# Altium PCB RTM_SFP.PcbDoc (part 11 of 17)
Units mil, origin at the board's own origin, x right, y up, seen from the top; angles counter-clockwise.
Board outline 7185 x 5846.5 mil, 4 copper layers (Top Layer, MidPlane_1, MidPlane_2, Bottom Layer), stack 63.553 mil thick; 389 components, 333 nets, 1578 pads, 1486 vias.
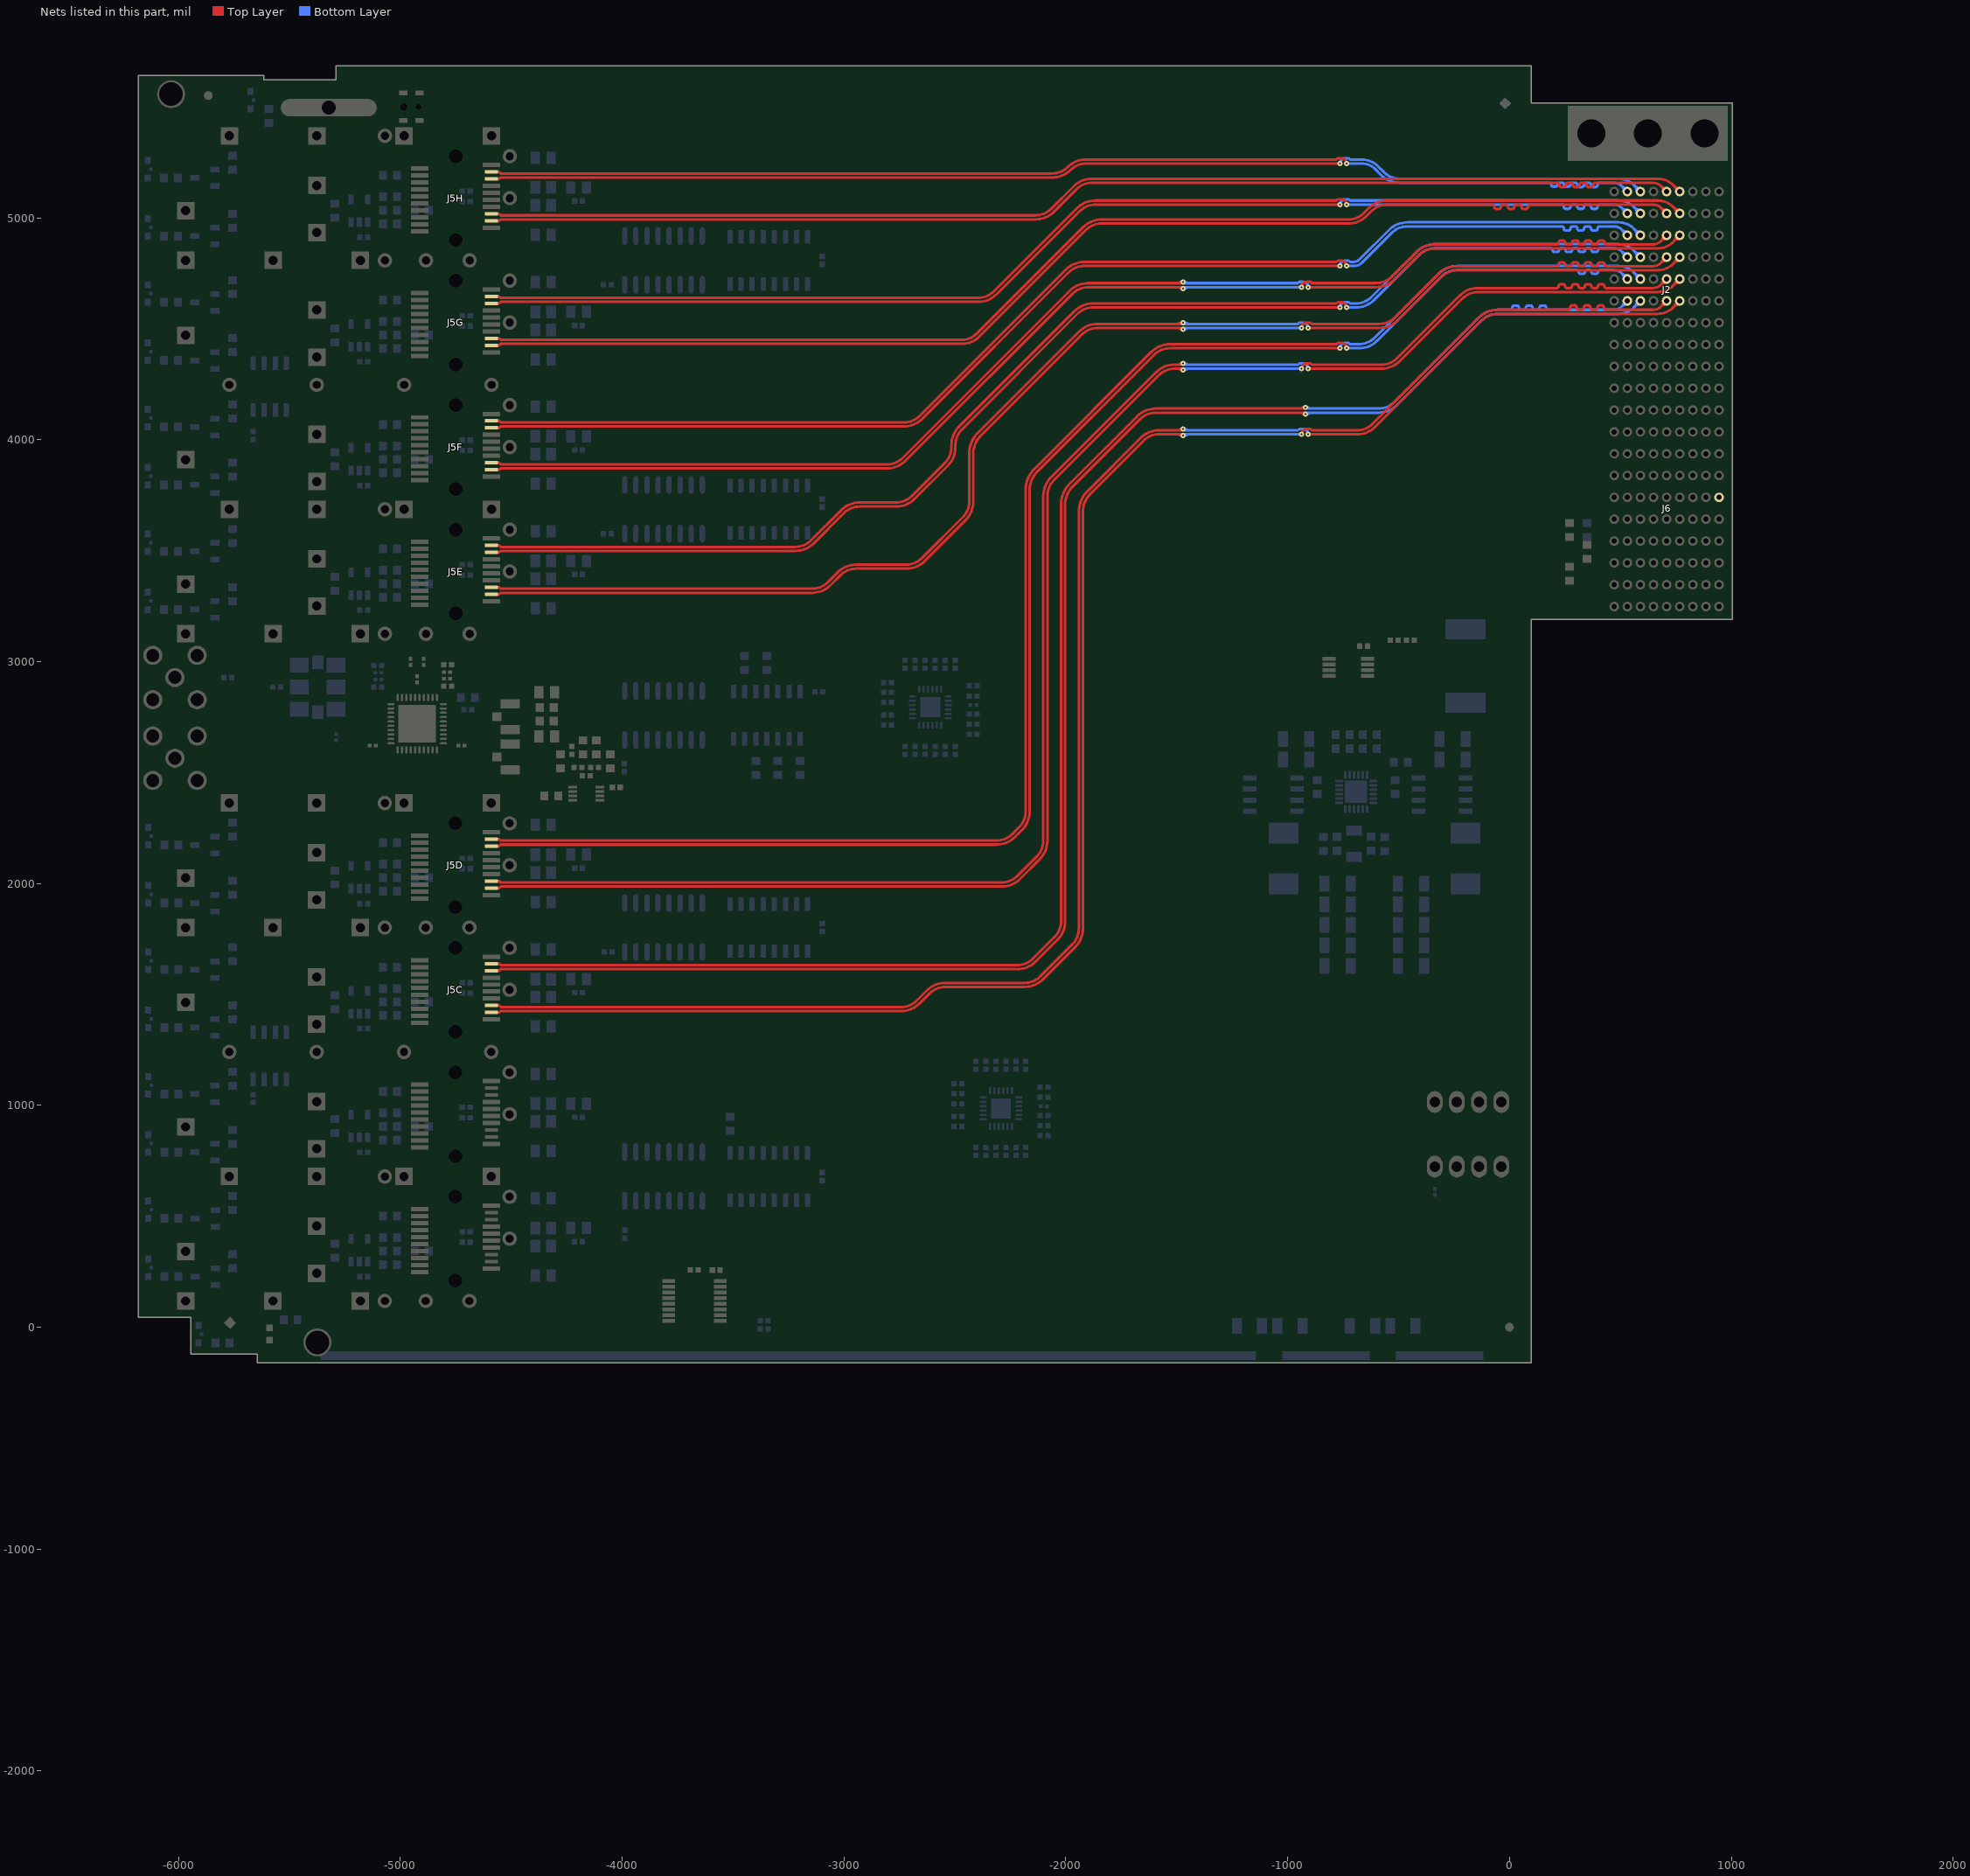
[diagram p13: the nets of this part, all layers, seen from the top]

## Via types
v1: diameter 23.62, hole 7.87, Top Layer to Bottom Layer, tented both sides, 1401 vias
v2: diameter 27.56, hole 11.81, Top Layer to Bottom Layer, tented both sides, 59 vias
v3: diameter 25.98, hole 12.99, Top Layer to Bottom Layer, tented top, 24 vias
v4: diameter 23.62, hole 11.81, Top Layer to Bottom Layer, tented both sides, 2 vias

## Nets (pads, with @x,y where several pads share a name; then routed paths per layer and width w, separated by ;. In a path a pad name is that pad's centre, name@x,y a point inside that pad or via, vN(x,y) a via of type N, cw(c..) or ccw(c..) an arc to the next point about the centre after c; other vN are vias at no path point) (continued)
RTM_LVD7_P: J6.A6
SFP1RX_N: J2.D10 J5H.12 | length 5555.2
  Top Layer w12: J5H.12@-4589.58,4986.47 -4553.96,4986.47 -4547.21,4993.22 -2136.48,4993.22 ccw(c-2136.48,5110.23) -2053.74,5027.49 -1951.86,5129.37 cw(c-1881.15,5058.66) -1881.15,5158.66 214.37,5158.66 cw(c214.37,5148.62) 224.41,5148.62 ccw(c234.25,5148.62) 234.25,5138.78 244.29,5138.78 ccw(c244.29,5148.62) 254.13,5148.62 cw(c264.17,5148.62) 263.98,5158.66 275.59,5158.66 cw(c275.59,5148.62) 285.63,5148.62 ccw(c295.47,5148.62) 295.47,5138.78 305.51,5138.78 ccw(c305.51,5148.62) 315.35,5148.62 cw(c325.39,5148.62) 325.2,5158.66 336.81,5158.66 cw(c336.81,5148.62) 346.85,5148.62 ccw(c356.69,5148.62) 356.69,5138.78 366.73,5138.78 ccw(c366.73,5148.62) 376.57,5148.62 cw(c386.61,5148.62) 386.42,5158.66 647.2,5158.66 cw(c647.2,5108.19) 682.89,5143.88 ; J2.D10@708.66,5118.11 682.89,5143.88 ; 682.89,5143.88 cw(c658.44,5119.42) 693.01,5118.52 ccw(c658.44,5119.42) 682.89,5143.88 ; 682.89,5143.88 ccw(c707.35,5168.34) 708.25,5133.76 cw(c707.35,5168.34) 682.89,5143.88
SFP1RX_P: J2.C10 J5H.13 | length 5557.9
  Top Layer w12: J5H.13@-4589.58,5017.97 -4553.96,5017.97 -4547.21,5011.22 -2136.89,5011.22 ccw(c-2136.89,5111.22) -2066.18,5040.51 -1964.57,5142.12 cw(c-1881.18,5058.73) -1881.18,5176.66 667.74,5176.66 cw(c667.74,5076.66) 738.45,5147.37 J2.C10@767.72,5118.11 ; 740.99,5144.83 cw(c714.27,5118.11) 752.06,5118.11 ccw(c714.27,5118.11) 740.99,5144.83 ; 740.99,5144.83 ccw(c767.72,5171.55) 767.72,5133.76 cw(c767.72,5171.55) 740.99,5144.83
SFP1TX_N: J2.F10 J5H.19 | length 5508.8
  Top Layer w12: J5H.19@-4589.58,5206.95 -4553.96,5206.95 -4547.21,5200.2 -2061.3,5200.2 ccw(c-2061.3,5300.2) -1990.59,5229.49 cw(c-1909.25,5148.14) -1909.25,5263.18 -779.85,5263.18 -774.04,5268.99 -758.06,5268.99 cw(c-758.06,5245.18) v1(-734.25,5245.18) ; v1@-738.98,5248.55 ccw(c-747.26,5254.46) -737.44,5257.09 ; v1@-738.98,5248.55 ccw(c-747.26,5254.46) -737.44,5257.09 ; v1@-738.98,5248.55 ccw(c-747.26,5254.46) -737.44,5257.09 ; -737.44,5257.09 ccw(c-727.62,5259.72) v1@-731.84,5250.47 ; -737.44,5257.09 ccw(c-727.62,5259.72) v1@-731.84,5250.47 ; -737.44,5257.09 ccw(c-727.62,5259.72) v1@-731.84,5250.47
  Bottom Layer w12: v1@-728.44,5245.18 -666.54,5245.18 cw(c-666.54,5159.09) -605.69,5219.99 -578.78,5193.09 ccw(c-495.67,5276.21) -495.67,5158.66 179.33,5158.66 cw(c179.32,5150.59) 187.4,5150.59 ccw(c196.65,5150.59) 196.65,5141.34 207.47,5141.35 ccw(c207.47,5150.6) 216.73,5150.6 cw(c224.79,5150.6) 224.79,5158.66 237.79,5158.66 cw(c237.79,5150.59) 245.86,5150.59 ccw(c255.11,5150.59) 255.11,5141.34 265.94,5141.35 ccw(c265.94,5150.6) 275.19,5150.6 cw(c283.26,5150.6) 283.26,5158.66 296.26,5158.66 cw(c296.26,5148.62) 306.3,5148.62 ccw(c315.75,5148.62) 315.75,5139.18 326.57,5139.18 ccw(c326.57,5148.62) 336.02,5148.62 cw(c346.06,5148.62) 346.06,5158.66 357.48,5158.66 cw(c357.48,5148.62) 367.52,5148.62 ccw(c376.97,5148.62) 376.97,5139.18 387.8,5139.18 ccw(c387.8,5148.62) 397.24,5148.62 cw(c407.28,5148.62) 407.09,5158.66 470.04,5158.66 cw(c470.04,5108.19) 505.73,5143.88 ; J2.F10@531.5,5118.11 505.73,5143.88 ; v1@-730.14,5241.07 cw(c-720.22,5231.15) -720.22,5245.18 ; v1@-730.14,5241.07 cw(c-720.22,5231.15) -720.22,5245.18 ; v1@-730.14,5241.07 cw(c-720.22,5231.15) -720.22,5245.18 ; v1@-730.14,5249.29 ccw(c-720.22,5259.21) -720.22,5245.18 ; v1@-730.14,5249.29 ccw(c-720.22,5259.21) -720.22,5245.18 ; v1@-730.14,5249.29 ccw(c-720.22,5259.21) -720.22,5245.18 ; 505.73,5143.88 cw(c481.27,5119.42) 515.85,5118.52 ccw(c481.27,5119.42) 505.73,5143.88 ; 505.73,5143.88 ccw(c530.19,5168.33) 531.09,5133.76 cw(c530.19,5168.33) 505.73,5143.88
SFP1TX_P: J2.E10 J5H.18 | length 5517.3
  Top Layer w12: J5H.18@-4589.58,5175.45 -4553.96,5175.45 -4547.21,5182.2 -2060.8,5182.2 ccw(c-2060.8,5298.99) -1978.22,5216.41 ; -1978.19,5216.43 cw(c-1908.75,5146.94) -1908.75,5245.18 v1(-764.17,5245.18) ; -778.2,5245.18 cw(c-778.2,5231.15) v1@-768.28,5241.07 ; -778.2,5245.18 ccw(c-778.2,5259.21) v1@-768.28,5249.29 ; -778.2,5245.18 cw(c-778.2,5231.15) v1@-768.28,5241.07 ; -778.2,5245.18 ccw(c-778.2,5259.21) v1@-768.28,5249.29 ; -778.2,5245.18 ccw(c-778.2,5259.21) v1@-768.28,5249.29 ; -778.2,5245.18 cw(c-778.2,5231.15) v1@-768.28,5241.07
  Bottom Layer w12: v1(-764.17,5245.18) cw(c-740.36,5245.18) -740.36,5268.99 -724.39,5268.99 -718.58,5263.18 -666.31,5263.18 cw(c-666.31,5159.64) -593.09,5232.85 -566.19,5205.95 ccw(c-495.48,5276.66) -495.48,5176.66 490.58,5176.66 cw(c490.58,5076.66) 561.29,5147.37 J2.E10@590.55,5118.11 J2.E10@579.29,5129.37 ; v1@-766.58,5250.47 ccw(c-770.8,5259.72) -760.98,5257.09 ; v1@-766.58,5250.47 ccw(c-770.8,5259.72) -760.98,5257.09 ; v1@-766.58,5250.47 ccw(c-770.8,5259.72) -760.98,5257.09 ; -760.98,5257.09 ccw(c-751.16,5254.46) v1@-759.44,5248.55 ; -760.98,5257.09 ccw(c-751.16,5254.46) v1@-759.44,5248.55 ; -760.98,5257.09 ccw(c-751.16,5254.46) v1@-759.44,5248.55 ; 563.83,5144.83 cw(c537.11,5118.11) 574.9,5118.11 ccw(c537.11,5118.11) 563.83,5144.83 ; 563.83,5144.83 ccw(c590.55,5171.55) 590.55,5133.76 cw(c590.55,5171.55) 563.83,5144.83
SFP2RX_N: J2.D9 J5G.12 | length 5737.8
  Top Layer w12: J5G.12@-4589.58,4425.45 -4553.96,4425.45 -4547.21,4432.2 -2468.45,4432.2 ccw(c-2468.45,4543.09) -2390.04,4464.68 -1909.59,4945.12 cw(c-1838.88,4874.41) -1838.88,4974.41 -726.43,4974.41 ccw(c-726.43,5090.5) -644.34,5008.41 -621.81,5030.95 cw(c-551.1,4960.24) -551.1,5060.24 -78.74,5060.24 cw(c-78.74,5050.2) -68.7,5050.2 ccw(c-58.86,5050.2) -58.86,5040.35 -48.82,5040.35 ccw(c-48.82,5050.2) -38.98,5050.2 cw(c-28.94,5050.2) -29.13,5060.23 -17.52,5060.24 cw(c-17.52,5050.2) -7.48,5050.2 ccw(c2.36,5050.2) 2.36,5040.35 12.4,5040.35 ccw(c12.4,5050.2) 22.24,5050.2 cw(c32.28,5050.2) 32.09,5060.23 43.7,5060.24 cw(c43.7,5050.2) 53.74,5050.2 ccw(c63.58,5050.2) 63.58,5040.35 73.62,5040.35 ccw(c73.62,5050.2) 83.46,5050.2 cw(c93.5,5050.2) 93.31,5060.23 647.2,5060.23 cw(c647.2,5009.76) 682.89,5045.45 ; J2.D9@708.66,5019.69 682.89,5045.45 ; 682.89,5045.45 cw(c658.44,5020.99) 693.01,5020.09 ccw(c658.44,5020.99) 682.89,5045.45 ; 682.89,5045.45 ccw(c707.35,5069.91) 708.25,5035.33 cw(c707.35,5069.91) 682.89,5045.45
SFP2RX_P: J2.C9 J5G.13 | length 5740.5
  Top Layer w12: J5G.13@-4589.58,4456.95 -4553.96,4456.95 -4547.21,4450.2 -2468.46,4450.2 ccw(c-2468.46,4543.12) -2402.76,4477.41 -1922.09,4958.08 cw(c-1839.22,4875.22) -1839.22,4992.41 -727.36,4992.41 ccw(c-727.36,5092.41) -656.65,5021.7 -634.79,5043.56 cw(c-551.07,4959.83) -551.07,5078.24 667.74,5078.24 cw(c667.74,4978.24) 738.45,5048.95 J2.C9@767.72,5019.69 ; 740.99,5046.41 cw(c714.27,5019.69) 752.06,5019.69 ccw(c714.27,5019.69) 740.99,5046.41 ; 740.99,5046.41 ccw(c767.72,5073.13) 767.72,5035.34 cw(c767.72,5073.13) 740.99,5046.41
SFP2TX_N: J2.F9 J5G.19 | length 5625.9
  Top Layer w12: J5G.19@-4589.58,4645.92 -4553.96,4645.92 -4547.21,4639.17 -2395.55,4639.17 ccw(c-2395.55,4739.17) -2324.84,4668.46 -1949.45,5043.86 cw(c-1866.46,4960.87) -1866.46,5078.24 -779.68,5078.24 -773.87,5084.05 -757.9,5084.05 cw(c-757.9,5060.24) v1(-734.09,5060.24) ; v1@-738.82,5063.61 ccw(c-747.1,5069.51) -737.28,5072.14 ; v1@-738.82,5063.61 ccw(c-747.1,5069.51) -737.28,5072.14 ; v1@-738.82,5063.61 ccw(c-747.1,5069.51) -737.28,5072.14 ; -737.28,5072.14 ccw(c-727.46,5074.77) v1@-731.68,5065.52 ; -737.28,5072.14 ccw(c-727.46,5074.77) v1@-731.68,5065.52 ; -737.28,5072.14 ccw(c-727.46,5074.77) v1@-731.68,5065.52
  Bottom Layer w12: v1(-734.09,5060.24) 235.04,5060.24 cw(c235.04,5050.2) 245.08,5050.2 ccw(c254.53,5050.2) 254.53,5040.75 265.35,5040.75 ccw(c265.35,5050.2) 274.8,5050.2 cw(c284.84,5050.2) 284.65,5060.24 296.26,5060.24 cw(c296.26,5050.2) 306.3,5050.2 ccw(c315.75,5050.2) 315.75,5040.75 326.57,5040.75 ccw(c326.57,5050.2) 336.02,5050.2 cw(c346.06,5050.2) 346.06,5060.24 357.48,5060.24 cw(c357.48,5050.2) 367.52,5050.2 ccw(c376.97,5050.2) 376.97,5040.75 387.8,5040.75 ccw(c387.8,5050.2) 397.24,5050.2 cw(c407.28,5050.2) 407.09,5060.24 470.04,5060.24 cw(c470.04,5009.76) 505.73,5045.45 ; J2.F9@531.5,5019.69 505.73,5045.45 ; v1@-729.98,5056.13 cw(c-720.06,5046.21) -720.06,5060.24 ; v1@-729.98,5056.13 cw(c-720.06,5046.21) -720.06,5060.24 ; v1@-729.98,5056.13 cw(c-720.06,5046.21) -720.06,5060.24 ; v1@-729.98,5064.35 ccw(c-720.06,5074.27) -720.06,5060.24 ; v1@-729.98,5064.35 ccw(c-720.06,5074.27) -720.06,5060.24 ; v1@-729.98,5064.35 ccw(c-720.06,5074.27) -720.06,5060.24 ; 505.73,5045.45 cw(c481.27,5020.99) 515.85,5020.09 ccw(c481.27,5020.99) 505.73,5045.45 ; 505.73,5045.45 ccw(c530.19,5069.91) 531.09,5035.33 cw(c530.19,5069.91) 505.73,5045.45
SFP2TX_P: J2.E9 J5G.18 | length 5630
  Top Layer w12: J5G.18@-4589.58,4614.43 -4553.96,4614.43 -4547.21,4621.17 -2395.42,4621.17 ccw(c-2395.42,4738.85) -2312.21,4655.64 -1936.9,5030.95 cw(c-1866.19,4960.24) -1866.19,5060.24 v1(-764.01,5060.24) ; -778.04,5060.24 cw(c-778.04,5046.21) v1@-768.12,5056.13 ; -778.04,5060.24 ccw(c-778.04,5074.27) v1@-768.12,5064.35 ; -778.04,5060.24 cw(c-778.04,5046.21) v1@-768.12,5056.13 ; -778.04,5060.24 ccw(c-778.04,5074.27) v1@-768.12,5064.35 ; -778.04,5060.24 ccw(c-778.04,5074.27) v1@-768.12,5064.35 ; -778.04,5060.24 cw(c-778.04,5046.21) v1@-768.12,5056.13
  Bottom Layer w12: v1(-764.01,5060.24) cw(c-740.2,5060.24) -740.2,5084.05 -724.22,5084.05 -718.41,5078.24 490.58,5078.24 cw(c490.58,4978.24) 561.29,5048.95 J2.E9@590.55,5019.69 ; v1@-766.42,5065.52 ccw(c-770.64,5074.77) -760.82,5072.14 ; v1@-766.42,5065.52 ccw(c-770.64,5074.77) -760.82,5072.14 ; v1@-766.42,5065.52 ccw(c-770.64,5074.77) -760.82,5072.14 ; -760.82,5072.14 ccw(c-751,5069.51) v1@-759.28,5063.61 ; -760.82,5072.14 ccw(c-751,5069.51) v1@-759.28,5063.61 ; -760.82,5072.14 ccw(c-751,5069.51) v1@-759.28,5063.61 ; 563.83,5046.41 cw(c537.11,5019.69) 574.9,5019.69 ccw(c537.11,5019.69) 563.83,5046.41 ; 563.83,5046.41 ccw(c590.55,5073.13) 590.55,5035.34 cw(c590.55,5073.13) 563.83,5046.41
SFP3RX_N: J2.D8 J5F.12 | length 6271.3
  Top Layer w12: J5F.12@-4589.58,3864.43 -4553.96,3864.43 -4547.21,3871.17 -2805.51,3871.17 ccw(c-2805.51,3987.88) -2722.98,3905.35 ; -2722.98,3905.36 -1969.83,4658.51 cw(c-1899.12,4587.8) -1899.12,4687.8 -1477.07,4687.8 v1(-1471.26,4681.98) ; v1(-937.33,4687.8) cw(c-913.52,4687.8) -913.52,4711.61 -897.54,4711.61 -891.73,4705.8 -601.24,4705.8 ccw(c-601.24,4805.8) -530.53,4735.08 -419.04,4846.57 cw(c-336.62,4764.15) -336.62,4880.71 213.59,4880.71 ccw(c213.58,4888.78) 221.65,4888.78 cw(c230.12,4888.78) 230.12,4897.25 242.52,4897.25 cw(c242.52,4888.78) 250.98,4888.78 ccw(c259.06,4888.78) 259.06,4880.71 273.62,4880.72 ccw(c273.62,4888.79) 281.69,4888.79 cw(c290.16,4888.79) 290.16,4897.25 302.56,4897.25 cw(c302.56,4888.79) 311.02,4888.79 ccw(c319.09,4888.79) 319.09,4880.72 332.09,4880.71 ccw(c332.09,4888.79) 340.16,4888.79 cw(c348.62,4888.79) 348.62,4897.25 361.02,4897.25 cw(c361.02,4888.79) 369.49,4888.79 ccw(c377.56,4888.79) 377.56,4880.71 390.55,4880.71 ccw(c390.55,4888.78) 398.62,4888.78 cw(c407.09,4888.78) 407.09,4897.25 419.49,4897.25 cw(c419.49,4888.78) 427.95,4888.78 ccw(c436.02,4888.78) 436.02,4880.71 647.2,4880.71 ccw(c647.2,4931.18) 682.89,4895.49 ; J2.D8@708.66,4921.26 682.89,4895.49 ; -1499.32,4687.8 cw(c-1499.32,4653.93) v1@-1475.37,4677.88 ; -1499.32,4687.8 cw(c-1499.32,4653.93) v1@-1475.37,4677.88 ; -1499.32,4687.8 cw(c-1499.32,4653.93) v1@-1475.37,4677.88 ; -1487.74,4685.02 ccw(c-1482.34,4694.39) v1@-1475.13,4686.32 ; -1487.74,4685.02 ccw(c-1482.34,4694.39) v1@-1475.13,4686.32 ; -1487.74,4685.02 ccw(c-1482.34,4694.39) v1@-1475.13,4686.32 ; v1@-939.74,4693.08 ccw(c-943.96,4702.33) -934.14,4699.7 ; v1@-939.74,4693.08 ccw(c-943.96,4702.33) -934.14,4699.7 ; v1@-939.74,4693.08 ccw(c-943.96,4702.33) -934.14,4699.7 ; -934.14,4699.7 ccw(c-924.32,4697.07) v1@-932.6,4691.17 ; -934.14,4699.7 ccw(c-924.32,4697.07) v1@-932.6,4691.17 ; -934.14,4699.7 ccw(c-924.32,4697.07) v1@-932.6,4691.17 ; 682.89,4895.49 cw(c707.35,4871.04) 708.25,4905.61 ccw(c707.35,4871.04) 682.89,4895.49 ; 682.89,4895.49 ccw(c658.44,4919.95) 693.01,4920.85 cw(c658.44,4919.95) 682.89,4895.49
  Bottom Layer w12: v1(-1471.26,4681.98) -1465.45,4687.8 v1@-943.14,4687.8 ; v1@-1467.39,4686.32 ccw(c-1460.18,4694.39) -1454.77,4685.02 ; v1@-1467.39,4686.32 ccw(c-1460.18,4694.39) -1454.77,4685.02 ; v1@-1467.39,4686.32 ccw(c-1460.18,4694.39) -1454.77,4685.02 ; v1@-1467.15,4677.88 cw(c-1443.2,4653.93) -1443.2,4687.8 ; v1@-1467.15,4677.88 cw(c-1443.2,4653.93) -1443.2,4687.8 ; v1@-1467.15,4677.88 cw(c-1443.2,4653.93) -1443.2,4687.8 ; -951.36,4687.8 cw(c-951.36,4673.77) v1@-941.44,4683.69 ; -951.36,4687.8 ccw(c-951.36,4701.82) v1@-941.44,4691.9 ; -951.36,4687.8 cw(c-951.36,4673.77) v1@-941.44,4683.69 ; -951.36,4687.8 ccw(c-951.36,4701.82) v1@-941.44,4691.9 ; -951.36,4687.8 ccw(c-951.36,4701.82) v1@-941.44,4691.9 ; -951.36,4687.8 cw(c-951.36,4673.77) v1@-941.44,4683.69
SFP3RX_P: J2.C8 J5F.13 | length 6272.3
  Top Layer w12: J5F.13@-4589.58,3895.92 -4553.96,3895.92 -4547.21,3889.17 -2806.04,3889.17 ccw(c-2806.04,3989.17) -2735.33,3918.46 -1982.27,4671.52 cw(c-1899.52,4588.77) -1899.52,4705.8 -1477.07,4705.8 v1(-1471.26,4711.61) ; v1(-907.41,4687.8) -601.2,4687.8 ccw(c-601.2,4805.7) -517.83,4722.33 -406.74,4833.42 cw(c-336.03,4762.71) -336.03,4862.71 667.74,4862.71 ccw(c667.74,4962.71) 738.45,4892 J2.C8@767.72,4921.26 ; -1499.32,4705.8 ccw(c-1499.32,4739.66) v1@-1475.37,4715.72 ; -1499.32,4705.8 ccw(c-1499.32,4739.66) v1@-1475.37,4715.72 ; -1499.32,4705.8 ccw(c-1499.32,4739.66) v1@-1475.37,4715.72 ; -1487.74,4708.57 cw(c-1482.34,4699.2) v1@-1475.13,4707.27 ; -1487.74,4708.57 cw(c-1482.34,4699.2) v1@-1475.13,4707.27 ; -1487.74,4708.57 cw(c-1482.34,4699.2) v1@-1475.13,4707.27 ; v1@-903.3,4683.69 cw(c-893.38,4673.77) -893.38,4687.8 ; v1@-903.3,4683.69 cw(c-893.38,4673.77) -893.38,4687.8 ; v1@-903.3,4683.69 cw(c-893.38,4673.77) -893.38,4687.8 ; v1@-903.3,4691.9 ccw(c-893.38,4701.82) -893.38,4687.8 ; v1@-903.3,4691.9 ccw(c-893.38,4701.82) -893.38,4687.8 ; v1@-903.3,4691.9 ccw(c-893.38,4701.82) -893.38,4687.8 ; 740.99,4894.54 cw(c767.72,4867.82) 767.72,4905.61 ccw(c767.72,4867.82) 740.99,4894.54 ; 740.99,4894.54 ccw(c714.27,4921.26) 752.06,4921.26 cw(c714.27,4921.26) 740.99,4894.54
  Bottom Layer w12: v1(-1471.26,4711.61) -1465.45,4705.8 -953,4705.8 -947.19,4711.61 -931.22,4711.61 cw(c-931.22,4687.8) v1(-907.41,4687.8) ; v1@-1467.39,4707.27 cw(c-1460.18,4699.2) -1454.77,4708.57 ; v1@-1467.39,4707.27 cw(c-1460.18,4699.2) -1454.77,4708.57 ; v1@-1467.39,4707.27 cw(c-1460.18,4699.2) -1454.77,4708.57 ; v1@-1467.15,4715.72 ccw(c-1443.2,4739.66) -1443.2,4705.8 ; v1@-1467.15,4715.72 ccw(c-1443.2,4739.66) -1443.2,4705.8 ; v1@-1467.15,4715.72 ccw(c-1443.2,4739.66) -1443.2,4705.8 ; v1@-912.14,4691.17 ccw(c-920.41,4697.07) -910.6,4699.7 ; v1@-912.14,4691.17 ccw(c-920.41,4697.07) -910.6,4699.7 ; v1@-912.14,4691.17 ccw(c-920.41,4697.07) -910.6,4699.7 ; -910.6,4699.7 ccw(c-900.78,4702.33) v1@-904.99,4693.08 ; -910.6,4699.7 ccw(c-900.78,4702.33) v1@-904.99,4693.08 ; -910.6,4699.7 ccw(c-900.78,4702.33) v1@-904.99,4693.08
SFP3TX_N: J2.F8 J5F.19 | length 5812.4
  Top Layer w12: J5F.19@-4589.58,4084.9 -4553.96,4084.9 -4547.21,4078.15 -2730.2,4078.15 ccw(c-2730.2,4178.15) -2659.49,4107.44 -2000.05,4766.88 cw(c-1917.51,4684.35) -1917.51,4801.07 ; -1924.44,4801.07 -780.08,4801.07 -774.27,4806.88 -758.29,4806.88 cw(c-758.29,4783.07) v1(-734.48,4783.07) ; v1@-739.21,4786.44 ccw(c-747.49,4792.35) -737.67,4794.98 ; v1@-739.21,4786.44 ccw(c-747.49,4792.35) -737.67,4794.98 ; v1@-739.21,4786.44 ccw(c-747.49,4792.35) -737.67,4794.98 ; -737.67,4794.98 ccw(c-727.85,4797.61) v1@-732.07,4788.36 ; -737.67,4794.98 ccw(c-727.85,4797.61) v1@-732.07,4788.36 ; -737.67,4794.98 ccw(c-727.85,4797.61) v1@-732.07,4788.36
  Bottom Layer w12: v1@-728.67,4783.07 -699.61,4783.07 ccw(c-699.61,4829.64) -666.7,4796.69 ; -666.67,4796.71 -530.86,4932.52 cw(c-460.15,4861.81) -460.15,4961.81 235.04,4961.81 cw(c235.04,4951.77) 245.08,4951.77 ccw(c254.53,4951.77) 254.53,4942.32 265.35,4942.32 ccw(c265.35,4951.77) 274.8,4951.77 cw(c284.84,4951.77) 284.65,4961.81 296.26,4961.81 cw(c296.26,4951.77) 306.3,4951.77 ccw(c315.75,4951.77) 315.75,4942.32 326.57,4942.32 ccw(c326.57,4951.77) 336.02,4951.77 cw(c346.06,4951.77) 346.06,4961.81 357.48,4961.81 cw(c357.48,4951.77) 367.52,4951.77 ccw(c376.97,4951.77) 376.97,4942.32 387.8,4942.32 ccw(c387.8,4951.77) 397.24,4951.77 cw(c407.28,4951.77) 407.09,4961.81 470.04,4961.81 cw(c470.04,4911.34) 505.73,4947.03 ; J2.F8@531.5,4921.26 505.73,4947.03 ; v1@-730.37,4778.96 cw(c-720.45,4769.04) -720.45,4783.07 ; v1@-730.37,4778.96 cw(c-720.45,4769.04) -720.45,4783.07 ; v1@-730.37,4778.96 cw(c-720.45,4769.04) -720.45,4783.07 ; v1@-730.37,4787.18 ccw(c-720.45,4797.1) -720.45,4783.07 ; v1@-730.37,4787.18 ccw(c-720.45,4797.1) -720.45,4783.07 ; v1@-730.37,4787.18 ccw(c-720.45,4797.1) -720.45,4783.07 ; 505.73,4947.03 cw(c481.27,4922.57) 515.85,4921.67 ccw(c481.27,4922.57) 505.73,4947.03 ; 505.73,4947.03 ccw(c530.19,4971.48) 531.09,4936.91 cw(c530.19,4971.48) 505.73,4947.03
SFP3TX_P: J2.E8 J5F.18 | length 5814.7
  Top Layer w12: J5F.18@-4589.58,4053.4 -4553.96,4053.4 -4547.21,4060.15 -2730.21,4060.15 ccw(c-2730.21,4178.17) -2646.76,4094.71 -1987.69,4753.78 cw(c-1916.98,4683.07) -1916.98,4783.07 v1(-764.4,4783.07) ; -778.43,4783.07 cw(c-778.43,4769.04) v1@-768.51,4778.96 ; -778.43,4783.07 ccw(c-778.43,4797.1) v1@-768.51,4787.18 ; -778.43,4783.07 cw(c-778.43,4769.04) v1@-768.51,4778.96 ; -778.43,4783.07 ccw(c-778.43,4797.1) v1@-768.51,4787.18 ; -778.43,4783.07 ccw(c-778.43,4797.1) v1@-768.51,4787.18 ; -778.43,4783.07 cw(c-778.43,4769.04) v1@-768.51,4778.96
  Bottom Layer w12: v1(-764.4,4783.07) cw(c-740.59,4783.07) -740.59,4806.88 -724.62,4806.88 -718.81,4801.07 -704.72,4801.07 ccw(c-704.72,4842) -675.81,4813.04 ; -675.78,4813.06 -543.57,4945.27 cw(c-460.18,4861.88) -460.18,4979.81 490.58,4979.81 cw(c490.58,4879.81) 561.29,4950.52 J2.E8@590.55,4921.26 ; v1@-766.81,4788.36 ccw(c-771.03,4797.61) -761.21,4794.98 ; v1@-766.81,4788.36 ccw(c-771.03,4797.61) -761.21,4794.98 ; v1@-766.81,4788.36 ccw(c-771.03,4797.61) -761.21,4794.98 ; -761.21,4794.98 ccw(c-751.39,4792.35) v1@-759.67,4786.44 ; -761.21,4794.98 ccw(c-751.39,4792.35) v1@-759.67,4786.44 ; -761.21,4794.98 ccw(c-751.39,4792.35) v1@-759.67,4786.44 ; 563.83,4947.98 cw(c537.11,4921.26) 574.9,4921.26 ccw(c537.11,4921.26) 563.83,4947.98 ; 563.83,4947.98 ccw(c590.55,4974.7) 590.55,4936.91 cw(c590.55,4974.7) 563.83,4947.98
SFP4RX_N: J2.D7 J5E.12 | length 6624.9
  Top Layer w12: J5E.12@-4589.58,3303.4 -4553.96,3303.4 -4547.21,3310.15 -3143.92,3310.15 ccw(c-3143.92,3428.01) -3060.58,3344.67 -3015.64,3389.61 cw(c-2944.93,3318.9) -2944.93,3418.9 -2718.15,3418.9 ccw(c-2718.15,3533.68) -2636.99,3452.52 -2451.99,3637.51 ccw(c-2534.74,3720.26) -2417.72,3720.26 -2417.72,3935.47 cw(c-2299.72,3935.47) -2383.16,4018.9 ; -2383.16,4018.91 -1927.12,4474.95 cw(c-1856.4,4404.24) -1856.4,4504.24 -1477.54,4504.24 v1(-1471.73,4498.43) ; v1(-937.8,4504.24) cw(c-913.98,4504.24) -913.98,4528.05 -898.01,4528.05 -892.2,4522.24 -586.77,4522.24 ccw(c-586.77,4622.24) -516.06,4551.53 -320.01,4747.57 cw(c-236.21,4663.78) -236.21,4782.28 213.59,4782.28 ccw(c213.58,4790.36) 221.65,4790.36 cw(c230.12,4790.36) 230.12,4798.82 242.52,4798.82 cw(c242.52,4790.36) 250.98,4790.36 ccw(c259.06,4790.36) 259.06,4782.29 ; 260.63,4782.29 273.62,4782.29 ccw(c273.62,4790.36) 281.69,4790.36 cw(c290.16,4790.36) 290.16,4798.83 302.56,4798.83 cw(c302.56,4790.36) 311.02,4790.36 ccw(c319.09,4790.36) 319.09,4782.29 332.09,4782.29 ccw(c332.09,4790.36) 340.16,4790.36 cw(c348.62,4790.36) 348.62,4798.82 361.02,4798.82 cw(c361.02,4790.36) 369.49,4790.36 ccw(c377.56,4790.36) 377.56,4782.29 390.55,4782.29 ccw(c390.55,4790.36) 398.62,4790.36 cw(c407.09,4790.36) 407.09,4798.82 419.49,4798.82 cw(c419.49,4790.36) 427.95,4790.36 ccw(c436.02,4790.36) 436.02,4782.29 647.2,4782.28 ccw(c647.2,4832.76) 682.89,4797.07 ; J2.D7@708.66,4822.83 682.89,4797.07 ; -1499.79,4504.24 cw(c-1499.79,4470.37) v1@-1475.84,4494.32 ; -1499.79,4504.24 cw(c-1499.79,4470.37) v1@-1475.84,4494.32 ; -1499.79,4504.24 cw(c-1499.79,4470.37) v1@-1475.84,4494.32 ; -1488.21,4501.46 ccw(c-1482.8,4510.83) v1@-1475.6,4502.76 ; -1488.21,4501.46 ccw(c-1482.8,4510.83) v1@-1475.6,4502.76 ; -1488.21,4501.46 ccw(c-1482.8,4510.83) v1@-1475.6,4502.76 ; v1@-940.21,4509.52 ccw(c-944.42,4518.77) -934.61,4516.14 ; v1@-940.21,4509.52 ccw(c-944.42,4518.77) -934.61,4516.14 ; v1@-940.21,4509.52 ccw(c-944.42,4518.77) -934.61,4516.14 ; -934.61,4516.14 ccw(c-924.79,4513.51) v1@-933.06,4507.61 ; -934.61,4516.14 ccw(c-924.79,4513.51) v1@-933.06,4507.61 ; -934.61,4516.14 ccw(c-924.79,4513.51) v1@-933.06,4507.61 ; 682.89,4797.07 cw(c707.35,4772.61) 708.25,4807.19 ccw(c707.35,4772.61) 682.89,4797.07 ; 682.89,4797.07 ccw(c658.44,4821.52) 693.01,4822.43 cw(c658.44,4821.52) 682.89,4797.07